# Altium PCB DM3370.PcbDoc (part 2 of 9)
Units mm, origin at the board's own origin, x right, y up, seen from the top; angles counter-clockwise.
Board outline 114.8 x 103.43 mm, 6 copper layers (Top Copper, GND 1, PWR, Signal Layer 1, GND 2, Bottom Copper), stack 1.599 mm thick; 540 components, 427 nets, 2136 pads, 1770 vias.
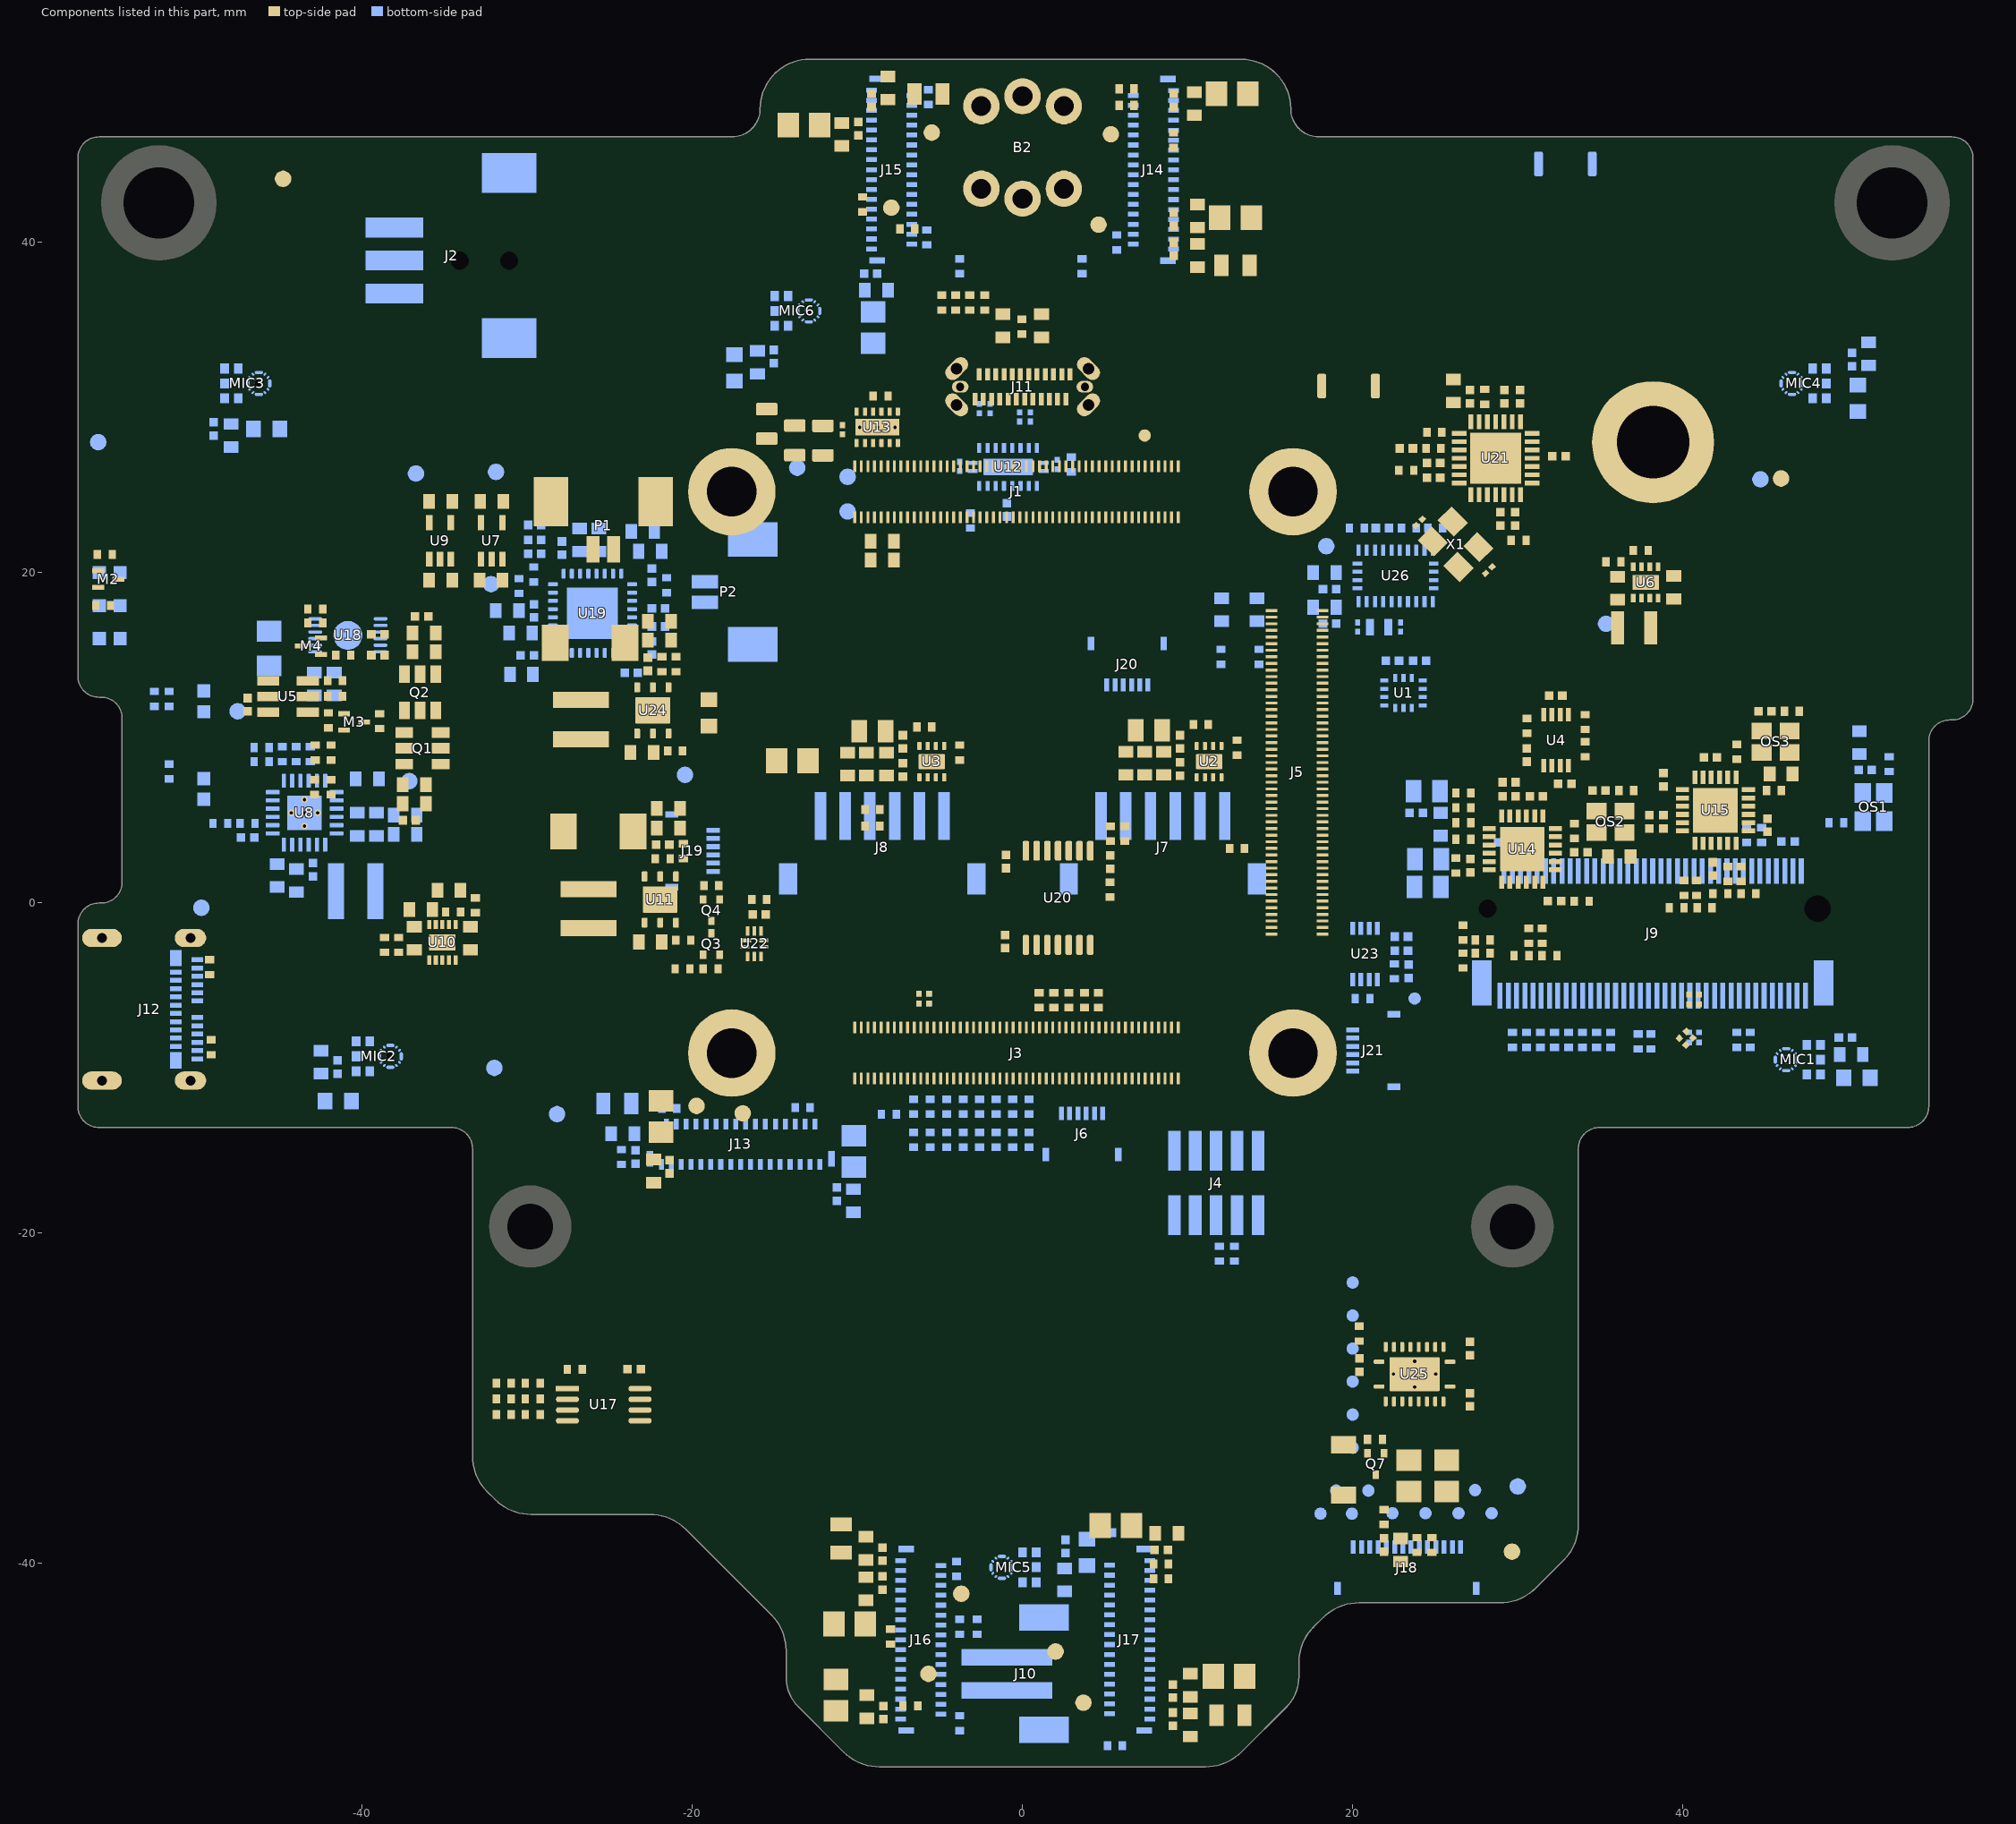
[diagram p6: the components of this part, seen from the top]

## Components (designator, comment, footprint, x,y, rotation, side; value= is the part's Value field where it differs from the comment) (continued)
TP40 "TEST_POINT" TP075_150_NS 20,-27 r0 bottom
TP41 "TEST_POINT" TP075_150_NS 20,-29 r0 bottom
TP42 "TP100_200_NS" TP100_200_NS 18.4,21.6 r270 bottom
TP43 "TEST_POINT" TP100_200_NS -49.75,-0.3 r90 bottom
U1 "BMI270" XDCR_BMI270 23.079,12.709 r0 bottom
U2 "DRV8210DSGR" FP-DSG0008A-MFG 11.3,8.55 r90 top
U3 "DRV8210DSGR" FP-DSG0008A-MFG -5.5,8.55 r90 top
U4 "TXS0102DCUR" TXS0102DCUR 32.325,9.85 r270 top
U5 "MAX16150AUT+T" FP-U6-1-MFG -44.5,12.5 r0 top
U6 "TLV62080DSG" TLV62080DSG 37.75,19.4 r270 top
U7 "TLV70028DCK" TLV70028DCK -32.162,21.921 r0 top
U8 "BQ24192RGET" BQ24192IRGET-Footprint-1 -43.5,5.45 r0 bottom
U9 "TLV70018DCK" TLV70018DCK -35.3,21.921 r0 top
U10 "TLV75201PDSQR" SON_1PDSQR_TEX -35.15,-2.4 r90 top
U11 "LM2735XSD/NOPB" NGG0006A_V -21.95,0.196 r90 top
U12 "USB Type-C Switch" CBTL02043A -0.875,26.4 r90 bottom
U13 "TPS25821DSSR" TPS25821 -8.8,28.8 r90 top
U14 "SI52142-A01AGM" SI52142-A01AGM 30.275,3.25 r270 top
U15 "PI6CG33201CZDIEX" PI6CG33201CZDIEX 41.975,5.6 r270 top
U16 "AL5809-20P1-7" DIOD-POWERDI123-2_B_V 19.45,-34.35 r270 top
U17 "24AA32A-I/MS 8-MSOP" 24AA32A-I/MS -25.375,-30.4 r0 top
U18 "BQ27441DRZT-G1B" FP-DRZ0012A-MFG -40.875,16.2 r270 bottom
U19 "LM49450SQ/NOPB" QFN50P500X500X80_HS-33N -26.057,17.537 r90 bottom
U20 "TXS0104EPWR" TXS0104EPWR 2.15,0.3 r90 top
U21 "USB2412-DZK" FP-USB2412-DZK-MFG 28.662,26.927 r180 top
U22 "USB 2.0 Switch" FSUSB42UMX -16.25,-2.481 r0 top
U23 "TXS0102DCUR" TXS0102DCUR 20.75,-3.1 r90 bottom
U24 "LM2735XSD/NOPB" NGG0006A_V -22.4,11.65 r90 top
U25 "TXS0108ERGYR" TXS0108ERGYR 23.75,-28.55 r270 top
U26 "BNO085" BNO085 22.6,19.8 r270 bottom
X1 "ABM8G-24.000MHZ-4Y-T3" MCSJK-7U-24.00-12-30-60-B-30 26.235,21.715 r315 top
Y1 "CMP-096-000000-2" FP-ABS05-MFG 21.6,16.7 r0 bottom

## Footprints (in the part's own frame and the unit in brackets; to place one, negate y for a bottom-side part, rotate by r counter-clockwise, add the part's x,y. Pads: shape width x height; smd on the part's side, far side on the other; paste and mask are expansions set on the pad)
1-292173-3 [mm]
  rect 1.2x3.5 smd: 1(2,-3.95) 2(0,-3.95) 3(-2,-3.95)
  round 0.55 hole 1.1 unplated: MH1(0,0) MH2(0,3)
  rect 2.4x3.3 smd: MP1(5.3,3) MP2(-4.7,3)
  silkscreen extent -3.9,-6.35 4.1,5.25, body extent -5.45,-5.36 5.95,5.04, height 5.82
24AA32A-I/MS [mm] "Body: 3 x 3mm, pitch: 0.65mm"
  rect 1.4x0.35 smd mask+0.05: 1(-2.2,0.975)
  oval 1.4x0.35 smd mask+0.05: 2(-2.2,0.325) 3(-2.2,-0.325) 4(-2.2,-0.975) 5(2.2,-0.975) 6(2.2,-0.325) 7(2.2,0.325) 8(2.2,0.975)
  silkscreen extent -2.32,-1.5 1.2,1.72, body extent -2.45,-1.5 2.45,1.5, height 1.15
2520_OSC(FJ2400002) [mm] "2.5x2.0mm ceramic SMD"
  rect 1.2x1 smd: 1(-0.85,-0.65) 2(0.85,-0.65) 3(0.85,0.65) 4(-0.85,0.65)
  silkscreen extent -1.77,-1.44 1.75,0.99, body extent -1.25,-1 1.25,1, height 1
105450-0101 [mm] "USB3.1 Type-C Molex SMT, RA, TH"
  rect 0.3x0.7 smd mask+0.05: A1(-3,0.65) A2(-2.5,0.65) A3(-2,0.65) A4(-1.5,0.65) A5(-1,0.65) A6(-0.5,0.65) A7(0.5,0.65) A8(1,0.65) A9(1.5,0.65) A10(2,0.65) A11(2.5,0.65) A12(3,0.65) B2(2.25,-0.65) B3(1.75,-0.65) B4(1.25,-0.65) B5(0.75,-0.65) B6(0.25,-0.65) B7(-0.25,-0.65) B8(-0.75,-0.65) B9(-1.25,-0.65) B10(-1.75,-0.65) B11(-2.25,-0.65)
  rect 1x0.7 smd mask+0.05: B1(3.1,-0.65) B12(-3.1,-0.65)
  oval 1.1x1.9 hole 0.6 slot 1.3 at 90 deg mask+0.05: SH1(-4.32,0.24) SH4(4.32,0.24)
  oval 1.1x2.4 hole 0.6 slot 1.8 at 90 deg mask+0.05: SH2(-4.32,-5.12) SH3(4.32,-5.12)
  Top Copper keep-out region: -3.6,-1.3 3.6,-1.3 3.6,-5.95 -3.6,-5.95
  silkscreen extent -4.5,-3.6 4.5,-1, body extent -4.47,-7.02 4.47,0.88, height 3.2
20021121-00010T1LF [mm] "Connector Header Surface Mount 10 position 0.050\" (1.27mm)   Contact length: 0.120\" (3.05mm)"
  rect 0.76x2.4 smd: 1(-2.54,-1.95) 2(-2.54,1.95) 3(-1.27,-1.95) 4(-1.27,1.95) 5(0,-1.95) 6(0,1.95) 7(1.27,-1.95) 8(1.27,1.95) 9(2.54,-1.95) 10(2.54,1.95)
  body extent -3.18,-2.75 3.17,2.75, height 4.55
2508056017Y2 [mm] "2508056017Y2 Chip Inductor, 2-Leads, Body 2.00x1.25mm"
  rect 1.3x1.5 smd: 1(-0.95,0) 2(0.95,0)
  body extent -1.1,-0.72 1.1,0.73, height 1.45
9774010360R [mm] "M3 Thread Internal, Length 2.5mm"
  round 7.4 / inner round 5 / far side round 7.4 hole 4.4: 1(0,0)
  body extent -3,-3 3,2.99, height 1
9774030243R [mm] "STANDOFF_M2X0.4_3MM with no pad on bottom of PCB"
  round 5.3 / inner round 2.7 / far side round 2.7 hole 3 mask+0.05: 1(0,0)
  body extent -2.17,-2.17 2.18,2.17, height 3.05
BK1608HS800-T_L [mm] "Chip Inductor, 2-Leads, Body 1.60x0.80mm, IPC High Density"
  rect 0.72x0.88 smd: 1(-0.69,0) 2(0.69,0)
  body extent -0.88,-0.48 0.87,0.48, height 0.95
BLM18PG121SN1D_N [mm] "Chip Inductor, 2-Leads, Body 1.60x0.80mm, IPC Medium Density"
  rect 0.9x1 smd: 1(-0.8,0) 2(0.8,0)
  silkscreen extent -0.05,-0.4 0.05,0.4, body extent -0.87,-0.48 0.88,0.47, height 1
BNO085 [mm] "28-TFLGA Module (5.2x3.8)"
  rect 0.675x0.25 smd paste+0 mask+0: 1(1.562,2.25) 6(-1.562,2.25) 7(-1.562,1.75) 8(-1.562,1.25) 9(-1.562,0.75) 10(-1.562,0.25) 11(-1.562,-0.25) 12(-1.562,-0.75) 13(-1.562,-1.25) 14(-1.562,-1.75) 15(-1.562,-2.25) 20(1.562,-2.25) 21(1.562,-1.75) 22(1.562,-1.25) 23(1.562,-0.75) 24(1.562,-0.25) 25(1.562,0.25) 26(1.562,0.75) 27(1.562,1.25) 28(1.562,1.75)
  rect 0.25x0.575 smd paste+0 mask+0: 2(0.75,2.312) 3(0.25,2.312) 4(-0.25,2.312) 5(-0.75,2.312) 16(-0.75,-2.312) 17(-0.25,-2.312) 18(0.25,-2.312) 19(0.75,-2.312)
  silkscreen extent -2.3,-3.08 3.05,3.08, body extent -1.9,-2.6 1.9,2.6, height 1.18
BQ24192IRGET-Footprint-1 [mm]
  rrect25% 0.84x0.26 smd: 1(-1.935,1.25) 2(-1.935,0.75) 3(-1.935,0.25) 4(-1.935,-0.25) 5(-1.935,-0.75) 6(-1.935,-1.25) 13(1.935,-1.25) 14(1.935,-0.75) 15(1.935,-0.25) 16(1.935,0.25) 17(1.935,0.75) 18(1.935,1.25)
  rrect25% 0.26x0.84 smd: 7(-1.25,-1.935) 8(-0.75,-1.935) 9(-0.25,-1.935) 10(0.25,-1.935) 11(0.75,-1.935) 12(1.25,-1.935) 19(1.25,1.935) 20(0.75,1.935) 21(0.25,1.935) 22(-0.25,1.935) 23(-0.75,1.935) 24(-1.25,1.935)
  rect 2.1x2.1 smd paste-2: 25(0,0)
  round 0.4 hole 0.2: 26(0,-0.8) 27(0.8,0) 28(0,0) 29(-0.8,0) 30(0,0.8)
  silkscreen extent -3.07,-2 2,2, body extent -2,-2 2,2, height 1
CAPC0201(0603)33_L [mm] "Chip Capacitor, Body 0.6x0.3mm, Height 0.33mm, IPC High Density"
  rect 0.36x0.32 smd: 1(-0.28,0) 2(0.28,0)
  body extent -0.32,-0.17 0.32,0.17, height 0.33
CAPC0402(1005)60_L [mm] "Chip Capacitor, Body 1.0x0.5mm, Height 0.6mm, IPC High Density"
  rect 0.52x0.52 smd: 1(-0.4,0) 2(0.4,0)
  body extent -0.55,-0.3 0.55,0.3, height 0.6
CAPC0402(1005)70_L [mm] "Chip Capacitor, Body 1.0x0.5mm, Height 0.7mm, IPC High Density"
  rect 0.52x0.52 smd: 1(-0.4,0) 2(0.4,0)
  body extent -0.55,-0.3 0.55,0.3, height 0.7
CAPC0603(1608)100_L [mm] "Chip Capacitor, Body 1.6x0.8mm, Height 1.0mm, IPC High Density"
  rect 0.7x0.9 smd: 1(-0.7,0) 2(0.7,0)
  silkscreen extent -0.05,-0.35 0.05,0.35, body extent -0.87,-0.47 0.88,0.48, height 1
CAPC0805(2012)145_L#1 [mm] "Chip Capacitor, Body 2.0x1.2mm, Height 1.45mm, IPC High Density"
  rect 0.95x1.35 smd: 1(-0.8,0) 2(0.8,0)
  silkscreen extent -0.05,-0.58 0.05,0.58, body extent -1.1,-0.72 1.1,0.72, height 1.45
CAPC0805(2012)145_L#2 [mm] "Chip Capacitor, Body 2.0x1.2mm, Height 1.45mm, IPC High Density"
  rrect25% 0.76x1.3 smd: 1(-0.9,0) 2(0.89,0)
  silkscreen extent -0.3,-0.55 0.3,0.55, body extent -1,-0.6 1,0.6, height 1.45
CBTL02043A [mm] "VQFN-20"
  rrect20% 0.25x0.6 smd mask+0.07: 1(-0.25,2.15) 10(-0.25,-2.15) 11(0.25,-2.15) 20(0.25,2.15)
  rrect20% 0.6x0.25 smd mask+0.07: 2(-1.15,1.75) 3(-1.15,1.25) 4(-1.15,0.75) 5(-1.15,0.25) 6(-1.15,-0.25) 7(-1.15,-0.75) 8(-1.15,-1.25) 9(-1.15,-1.75) 12(1.15,-1.75) 13(1.15,-1.25) 14(1.15,-0.75) 15(1.15,-0.25) 16(1.15,0.25) 17(1.15,0.75) 18(1.15,1.25) 19(1.15,1.75)
  rrect10% 1x3 smd paste-3 mask+0.07: 21(0,0)
  silkscreen extent -1.25,-2.25 1.25,2.53, body extent -1.25,-2.25 1.25,2.25, height 1
COIL-XFL4020_V [mm] "SMD, 2-Leads, Body 4x4mm, Pitch 2.37mm"
  rect 0.98x3.4 smd paste+0: 1(-1.185,0) 2(1.185,0)
  body extent -2,-2 2,2, height 2.1
CON_B_BW2099_SoM_DF40HC-3.0-100DS-0.4V_minpad [mm] "3.0MM MATED HEIGHT CONN HDR 100POS 0.4MM SMD GOLD"
  round 2.2 hole 1.2: 1(-2.5,2.5) 2(2.5,2.5) 3(-2.5,-2.5) 4(2.5,-2.5) 5(-3.1,0) 6(3.1,0)
  silkscreen extent -5.4,-6 6,6, body extent -5.4,-6 5.99,6, height 11.52
CX80B1-24P [mm] "USB3.1 Type-C Molex SMT, Through Hole, Vertical"
  rect 0.3x0.75 smd: A1(-2.625,0.755) A2(-2.125,0.755) A3(-1.625,0.755) A4(-1.125,0.755) A5(-0.625,0.755) A6(-0.125,0.755) A7(0.375,0.755) A8(0.875,0.755) A9(1.375,0.755) A10(1.875,0.755) A11(2.375,0.755) A12(2.875,0.755) B1(2.625,-0.755) B2(2.125,-0.755) B3(1.625,-0.755) B4(1.125,-0.755) B5(0.625,-0.755) B6(0.125,-0.755) B7(-0.375,-0.755) B8(-0.875,-0.755) B9(-1.375,-0.755) B10(-1.875,-0.755) B11(-2.375,-0.755) B12(-2.875,-0.755)
  oval 1.6x0.9 hole 0.7 slot 1.3 at 45 deg rot 45: SH1(-3.995,1.1) SH4(3.995,-1.1)
  oval 1.6x0.9 hole 0.7 slot 1.3 at 135 deg rot 135: SH2(3.995,1.1) SH3(-3.995,-1.1)
  oval 1x0.7 hole 0.5 slot 0.7 at 0 deg: SH5(-3.775,0) SH6(3.775,0)
  silkscreen extent -6,-2.5 6,2.5, body extent -4.74,-2.49 4.79,2.51, height 7.17
DFE252012P-1R0M=P2 [mm] "Chip Inductor, 2-Leads, Body 2.40x2.00mm, IPC High Density"
  rect 0.8x2 smd: 1(-1,0) 2(1,0)
  silkscreen extent -0.05,-0.9 0.05,0.9, body extent -1.25,-1.1 1.25,1.1, height 1.2
DIOD-POWERDI123-2_B_V [mm] "SOD, 2-Leads, Body 2.8x1.78mm"
  rect 1.05x1.5 smd: 1(-1.525,0) 2(1.525,0)
  silkscreen extent -2.72,-0.89 0.6,0.89, body extent -1.4,-0.89 1.4,0.89, height 1.01
DMG1012T-7 [mm] "SOT523, 3-Leads, Body 1.6x0.8mm, Pitch 0.50mm"
  rect 0.51x0.4 smd: 1(-0.65,0.5) 2(-0.65,-0.5) 3(0.65,0)
  silkscreen extent -0.75,-0.8 0.4,1.35, body extent -0.4,-0.8 0.4,0.8, height 0.86
FFC2B28-06-G [mm]
  rect 0.3x0.8 smd: 1(-1.25,1.25) 2(-0.75,1.25) 3(-0.25,1.25) 4(0.25,1.25) 5(0.75,1.25) 6(1.25,1.25)
  rect 0.4x0.8 smd: S1(-2.2,-1.25) S2(2.2,-1.25)
  silkscreen extent -2.5,-1.9 2.5,2.5, body extent -2.5,-1.85 2.5,1.4, height 1.72
FH26W-33S-0.3SHW(60) [mm] "connector: FH26W-33S-0.3SHW"
  rect 0.4x0.95 smd mask+0.05: 0(-5.5,-11.625) 0(5.5,-11.625)
  rect 0.3x0.65 smd mask+0.05: 1(4.8,-11.275) 2(4.507,-13.725) 3(4.2,-11.275) 4(3.907,-13.725) 5(3.6,-11.275) 6(3.307,-13.725) 7(3,-11.275) 8(2.707,-13.725) 9(2.4,-11.275) 10(2.107,-13.725) 11(1.8,-11.275) 12(1.507,-13.725) 13(1.2,-11.275) 14(0.907,-13.725) 15(0.6,-11.275) 16(0.307,-13.725) 17(0,-11.275) 18(-0.293,-13.725) 19(-0.6,-11.275) 20(-0.893,-13.725) 21(-1.2,-11.275) 22(-1.493,-13.725) 23(-1.8,-11.275) 24(-2.093,-13.725) 25(-2.4,-11.275) 26(-2.693,-13.725) 27(-3,-11.275) 28(-3.293,-13.725) 29(-3.6,-11.275) 30(-3.893,-13.725) 31(-4.2,-11.275) 32(-4.493,-13.725) 33(-4.8,-11.275)
  Top Copper keep-out region: -5.7,-12.214 5.718,-12.214 5.718,-13.242 -5.7,-13.242
  Top Copper keep-out region: -5.1,-8.625 5.119,-8.625 5.119,-10.622 -5.1,-10.622
  silkscreen extent -6.19,-14.32 6.2,-8.52, body extent -5.7,-14.07 5.7,-10.57, height 1.01
FIDUCIAL_ROUND_1MM [mm] "Round, 1mm dia"
  round 1 smd paste-1 mask+0.5: 1(0,0)
  Top Copper keep-out circle w0.025: c0,0 r1
FP-ABS05-MFG [mm]
  rect 0.5x1 smd paste+0 mask+0: 1(-0.55,0) 2(0.55,0)
  silkscreen extent -0.85,-0.87 0.85,0.87, body extent -0.8,-0.5 0.8,0.5, height 0.5
FP-B2B-PH-SM4-TBT_LF_SN-MFG [mm]
  rect 1x5.5 smd paste+0 mask+0: 1(-1,-2.25) 2(1,-2.25)
  rect 1.6x3 smd paste+0 mask+0: 3(-3.4,0) 4(3.4,0)
  silkscreen extent -3.98,-5.7 3.98,2.5, body extent -3.98,-4.5 3.98,2.5, height 6.6
FP-DRZ0012A-MFG [mm]
  oval 0.2x0.85 smd mask+0.07: 1(-1,-1.985) 2(-0.6,-1.985) 3(-0.2,-1.985) 4(0.2,-1.975) 5(0.6,-1.975) 6(1,-1.975) 7(1,1.985) 8(0.6,1.985) 9(0.2,1.985) 10(-0.2,1.975) 11(-0.6,1.975) 12(-1,1.975)
  round 1.755 smd paste-1000 mask+0: 13(0,0)
  Top Copper region: -1.65,1.225 1.65,1.225 1.65,0.975 0.975,0.975 0.975,-0.975 1.65,-0.975 1.65,-1.225 -1.65,-1.225 -1.65,-0.975 -0.975,-0.975 -0.975,0.975 -1.65,0.975 -1.65,1.225
  silkscreen extent -1.6,-3.05 1.4,0.5, body extent -1.25,-2 1.25,2, height 1
FP-DSG0008A-MFG [mm]
  rrect40% 0.5x0.25 smd paste+0 mask+0: 1(-0.95,0.75) 2(-0.95,0.25) 3(-0.95,-0.25) 4(-0.95,-0.75) 5(0.95,-0.75) 6(0.95,-0.25) 7(0.95,0.25) 8(0.95,0.75)
  rrect11% 0.9x1.6 smd paste-1000 mask+0: 9(0,0)
  silkscreen extent -2.06,-1.4 1,1.4, body extent -1,-1 1,1, height 0.81
FP-S6B-ZR-SM4A-TF_LF_SN-MFG [mm]
  rect 0.7x2.9 smd paste+0 mask+0: 1(3.75,-2.75) 2(2.25,-2.75) 3(0.75,-2.75) 4(-0.75,-2.75) 5(-2.25,-2.75) 6(-3.75,-2.75)
  rect 1.1x1.9 smd paste+0 mask+0: S1(5.7,1.05) S2(-5.7,1.05)
  silkscreen extent -6,-3 7.02,3, body extent -6,-3.5 6,3, height 3.7
FP-SMB-MFG [mm]
  rect 1.62x2.18 smd paste+0 mask+0: 1(-2.11,0) 2(2.11,0)
  silkscreen extent -3.65,-1.97 2.3,1.97, body extent -3.02,-2.07 3.02,2.07, height 0.25
FP-U6-1-MFG [mm]
  rect 1.33x0.56 smd paste+0 mask+0: 1(-1.2,0.95) 2(-1.2,0) 3(-1.2,-0.95) 4(1.2,-0.95) 5(1.2,0) 6(1.2,0.95)
  silkscreen extent -2.55,-1.5 0.16,1.5, body extent -1.96,-1.73 1.96,1.73, height 0.25
FP-USB2412-DZK-MFG [mm]
  rect 0.89x0.29 smd paste+0 mask+0: 1(-2.21,1.5) 2(-2.21,1) 3(-2.21,0.5) 4(-2.21,0) 5(-2.21,-0.5) 6(-2.21,-1) 7(-2.21,-1.5) 15(2.21,-1.5) 16(2.21,-1) 17(2.21,-0.5) 18(2.21,0) 19(2.21,0.5) 20(2.21,1) 21(2.21,1.5)
  rect 0.29x0.89 smd paste+0 mask+0: 8(-1.5,-2.21) 9(-1,-2.21) 10(-0.5,-2.21) 11(0,-2.21) 12(0.5,-2.21) 13(1,-2.21) 14(1.5,-2.21) 22(1.5,2.21) 23(1,2.21) 24(0.5,2.21) 25(0,2.21) 26(-0.5,2.21) 27(-1,2.21) 28(-1.5,2.21)
  rect 3.1x3.1 smd paste+0 mask+0: 29(0,0)
  silkscreen extent -3.35,-2.55 2.55,2.55, body extent -2.76,-2.76 2.76,2.76, height 0.25
FSUSB42UMX [mm] "USB Switch IC 1 Channel 10-UMLP (1.8x1.4)"
  rect 0.663x0.225 smd: 1(-0.519,0.2)
  rect 0.563x0.225 smd: 2(-0.569,-0.2) 6(0.569,-0.2) 7(0.569,0.2)
  rect 0.225x0.563 smd: 3(-0.4,-0.768) 4(0,-0.768) 5(0.4,-0.768) 8(0.4,0.768) 9(0,0.768) 10(-0.4,0.768)
  silkscreen extent -0.93,0.67 -0.87,0.73, body extent -0.7,-0.87 0.7,0.93, height 0.55
GCT_FFC2B28-14-G [mm]
  rect 0.3x0.8 smd: 1(-3.25,1.25) 2(-2.75,1.25) 3(-2.25,1.25) 4(-1.75,1.25) 5(-1.25,1.25) 6(-0.75,1.25) 7(-0.25,1.25) 8(0.25,1.25) 9(0.75,1.25) 10(1.25,1.25) 11(1.75,1.25) 12(2.25,1.25) 13(2.75,1.25) 14(3.25,1.25)
  rect 0.4x0.8 smd: S1(-4.2,-1.25) S2(4.2,-1.25)
  silkscreen extent -4.5,-1.9 4.5,2.5, body extent -4.5,-1.65 4.5,1.6, height 1.72
ICS-43434#1 [mm]
  rect 0.6x0.522 smd mask+0.05: 1(-0.9,1.364) 2(-0.9,0.542) 4(0.9,0.542) 5(0.9,1.364) 6(0,1.364)
  oval 0.2x0.5 smd paste-1 mask+0: 3(-0.663,-0.71) 3(0.663,-0.71)
  oval 0.2x0.125 smd rot 45 paste-1 mask+0: 3(-0.555,-1.071) 3(-0.361,-1.265) 3(0.361,-0.155) 3(0.555,-0.349)
  oval 0.2x0.125 smd rot 135 paste-1 mask+0: 3(-0.555,-0.349) 3(-0.361,-0.155) 3(0.361,-1.265) 3(0.555,-1.071)
  oval 0.5x0.2 smd paste-1 mask+0: 3(0,-1.372) 3(0,-0.048)
  round 0.5 hole 0.5 unplated: ""(0,-0.71)
  Top Copper region: -0.412,-0.404 -0.427,-0.425 -0.438,-0.444 -0.449,-0.462 -0.459,-0.481 -0.468,-0.501 -0.477,-0.521 -0.484,-0.541 -0.491,-0.561 -0.497,-0.582 -0.501,-0.603 -0.506,-0.624 -0.509,-0.646 -0.511,-0.667 -0.512,-0.688 -0.513,-0.71 -0.512,-0.732 -0.511,-0.753 -0.509,-0.774 -0.506,-0.796 -0.501,-0.817 -0.497,-0.838 -0.491,-0.859 -0.484,-0.879 -0.477,-0.899 -0.468,-0.919 -0.459,-0.939 -0.449,-0.958 -0.438,-0.976 -0.427,-0.995 -0.412,-1.016 -0.624,-1.228 -0.647,-1.199 -0.669,-1.168 -0.69,-1.137 -0.709,-1.105 -0.727,-1.072 -0.743,-1.038 -0.757,-1.003 -0.77,-0.968 -0.781,-0.932 -0.791,-0.896 -0.799,-0.859 -0.805,-0.822 -0.809,-0.785 -0.812,-0.747 -0.813,-0.71 -0.812,-0.673 -0.809,-0.635 -0.805,-0.598 -0.799,-0.561 -0.791,-0.524 -0.781,-0.488 -0.77,-0.452 -0.757,-0.417 -0.743,-0.382 -0.727,-0.348 -0.709,-0.315 -0.69,-0.283 -0.669,-0.252 -0.647,-0.221 -0.624,-0.192
  Top Copper region: 0.518,-1.334 0.489,-1.357 0.458,-1.379 0.427,-1.4 0.395,-1.419 0.362,-1.437 0.328,-1.453 0.293,-1.467 0.258,-1.48 0.222,-1.491 0.186,-1.501 0.149,-1.509 0.112,-1.515 0.075,-1.519 0.037,-1.522 0,-1.523 -0.037,-1.522 -0.075,-1.519 -0.112,-1.515 -0.149,-1.509 -0.186,-1.501 -0.222,-1.491 -0.258,-1.48 -0.293,-1.467 -0.328,-1.453 -0.362,-1.437 -0.395,-1.419 -0.427,-1.4 -0.458,-1.379 -0.489,-1.357 -0.518,-1.334 -0.306,-1.122 -0.292,-1.132 -0.273,-1.144 -0.255,-1.155 -0.236,-1.166 -0.216,-1.175 -0.196,-1.184 -0.176,-1.192 -0.155,-1.199 -0.134,-1.205 -0.113,-1.21 -0.091,-1.215 -0.07,-1.218 -0.048,-1.22 -0.026,-1.222 -0.004,-1.223 0.017,-1.222 0.039,-1.221 0.061,-1.219 0.082,-1.216 0.104,-1.212 0.125,-1.207 0.146,-1.201 0.167,-1.195 0.188,-1.187 0.208,-1.179 0.228,-1.17 0.247,-1.16 0.266,-1.149 0.284,-1.137 0.306,-1.122
  Top Copper region: 0.647,-0.221 0.669,-0.252 0.69,-0.283 0.709,-0.315 0.727,-0.348 0.743,-0.382 0.757,-0.417 0.77,-0.452 0.781,-0.488 0.791,-0.524 0.799,-0.561 0.805,-0.598 0.809,-0.635 0.812,-0.673 0.813,-0.71 0.812,-0.747 0.809,-0.785 0.805,-0.822 0.799,-0.859 0.791,-0.896 0.781,-0.932 0.77,-0.968 0.757,-1.003 0.743,-1.038 0.727,-1.072 0.709,-1.105 0.69,-1.137 0.669,-1.168 0.647,-1.199 0.624,-1.228 0.412,-1.016 0.422,-1.002 0.434,-0.983 0.445,-0.965 0.456,-0.946 0.465,-0.926 0.474,-0.906 0.482,-0.886 0.489,-0.865 0.495,-0.844 0.5,-0.823 0.505,-0.801 0.508,-0.78 0.51,-0.758 0.512,-0.736 0.513,-0.714 0.512,-0.693 0.511,-0.671 0.509,-0.649 0.506,-0.628 0.502,-0.606 0.497,-0.585 0.491,-0.564 0.485,-0.543 0.477,-0.522 0.469,-0.502 0.46,-0.482 0.45,-0.463 0.439,-0.444 0.427,-0.426 0.412,-0.404 0.624,-0.192
  Top Copper region: 0.037,0.102 0.075,0.099 0.112,0.095 0.149,0.089 0.186,0.081 0.222,0.071 0.258,0.06 0.293,0.047 0.328,0.033 0.362,0.017 0.395,-0.001 0.427,-0.02 0.458,-0.041 0.489,-0.063 0.518,-0.086 0.306,-0.298 0.284,-0.283 0.266,-0.271 0.247,-0.26 0.228,-0.25 0.208,-0.241 0.188,-0.233 0.167,-0.225 0.146,-0.219 0.125,-0.213 0.104,-0.208 0.082,-0.204 0.061,-0.201 0.039,-0.199 0.017,-0.198 -0.004,-0.197 -0.026,-0.198 -0.048,-0.2 -0.07,-0.202 -0.091,-0.205 -0.113,-0.21 -0.134,-0.215 -0.155,-0.221 -0.176,-0.228 -0.196,-0.236 -0.216,-0.245 -0.236,-0.254 -0.255,-0.265 -0.273,-0.276 -0.292,-0.288 -0.306,-0.298 -0.518,-0.086 -0.489,-0.063 -0.458,-0.041 -0.427,-0.02 -0.395,-0.001 -0.362,0.017 -0.328,0.033 -0.293,0.047 -0.258,0.06 -0.222,0.071 -0.186,0.081 -0.149,0.089 -0.112,0.095 -0.075,0.099 -0.037,0.102 0,0.103
  Top Copper lines w0.125: 0,-1.372 ccw(c0,-0.71) 0.016,-1.372 ; 0,-1.372 cw(c0,-0.71) -0.663,-0.71 cw(c0,-0.71) 0,-0.048 cw(c0,-0.71) 0.663,-0.71 cw(c0,-0.71) 0.016,-1.372 ; 0,-1.372 0,-1.372 ; 0,-1.372 0,-1.372 ; 0.016,-1.372 cw(c0,-0.71) 0.016,-1.372
  silkscreen extent -1.52,-1.94 2.1,1.94, body extent -1.33,-1.75 1.32,1.75, height 0.98
ICS-43434#2 [mm]
  rect 0.6x0.522 smd mask+0.05: 1(-0.9,1.364) 2(-0.9,0.542) 4(0.9,0.542) 5(0.9,1.364) 6(0,1.364)
  oval 0.2x0.5 smd paste-1 mask+0: 3(-0.663,-0.71) 3(0.663,-0.71)
  oval 0.2x0.125 smd rot 45 paste-1 mask+0: 3(-0.555,-1.071) 3(-0.361,-1.265) 3(0.361,-0.155) 3(0.555,-0.349)
  oval 0.2x0.125 smd rot 135 paste-1 mask+0: 3(-0.555,-0.349) 3(-0.361,-0.155) 3(0.361,-1.265) 3(0.555,-1.071)
  oval 0.5x0.2 smd paste-1 mask+0: 3(0,-1.372) 3(0,-0.048)
  round 0.5 hole 0.5 unplated: ""(0,-0.71)
  Top Copper region: -0.412,-0.404 -0.427,-0.425 -0.438,-0.444 -0.449,-0.462 -0.459,-0.481 -0.468,-0.501 -0.477,-0.521 -0.484,-0.541 -0.491,-0.561 -0.497,-0.582 -0.501,-0.603 -0.506,-0.624 -0.509,-0.646 -0.511,-0.667 -0.512,-0.688 -0.513,-0.71 -0.512,-0.732 -0.511,-0.753 -0.509,-0.774 -0.506,-0.796 -0.501,-0.817 -0.497,-0.838 -0.491,-0.859 -0.484,-0.879 -0.477,-0.899 -0.468,-0.919 -0.459,-0.939 -0.449,-0.958 -0.438,-0.976 -0.427,-0.995 -0.412,-1.016 -0.624,-1.228 -0.647,-1.199 -0.669,-1.168 -0.69,-1.137 -0.709,-1.105 -0.727,-1.072 -0.743,-1.038 -0.757,-1.003 -0.77,-0.968 -0.781,-0.932 -0.791,-0.896 -0.799,-0.859 -0.805,-0.822 -0.809,-0.785 -0.812,-0.747 -0.813,-0.71 -0.812,-0.673 -0.809,-0.635 -0.805,-0.598 -0.799,-0.561 -0.791,-0.524 -0.781,-0.488 -0.77,-0.452 -0.757,-0.417 -0.743,-0.382 -0.727,-0.348 -0.709,-0.315 -0.69,-0.283 -0.669,-0.252 -0.647,-0.221 -0.624,-0.192
  Top Copper region: 0.518,-1.334 0.489,-1.357 0.458,-1.379 0.427,-1.4 0.395,-1.419 0.362,-1.437 0.328,-1.453 0.293,-1.467 0.258,-1.48 0.222,-1.491 0.186,-1.501 0.149,-1.509 0.112,-1.515 0.075,-1.519 0.037,-1.522 0,-1.523 -0.037,-1.522 -0.075,-1.519 -0.112,-1.515 -0.149,-1.509 -0.186,-1.501 -0.222,-1.491 -0.258,-1.48 -0.293,-1.467 -0.328,-1.453 -0.362,-1.437 -0.395,-1.419 -0.427,-1.4 -0.458,-1.379 -0.489,-1.357 -0.518,-1.334 -0.306,-1.122 -0.292,-1.132 -0.273,-1.144 -0.255,-1.155 -0.236,-1.166 -0.216,-1.175 -0.196,-1.184 -0.176,-1.192 -0.155,-1.199 -0.134,-1.205 -0.113,-1.21 -0.091,-1.215 -0.07,-1.218 -0.048,-1.22 -0.026,-1.222 -0.004,-1.223 0.017,-1.222 0.039,-1.221 0.061,-1.219 0.082,-1.216 0.104,-1.212 0.125,-1.207 0.146,-1.201 0.167,-1.195 0.188,-1.187 0.208,-1.179 0.228,-1.17 0.247,-1.16 0.266,-1.149 0.284,-1.137 0.306,-1.122